# Altium PCB STM32F207VE_Board.PcbDoc (continued)
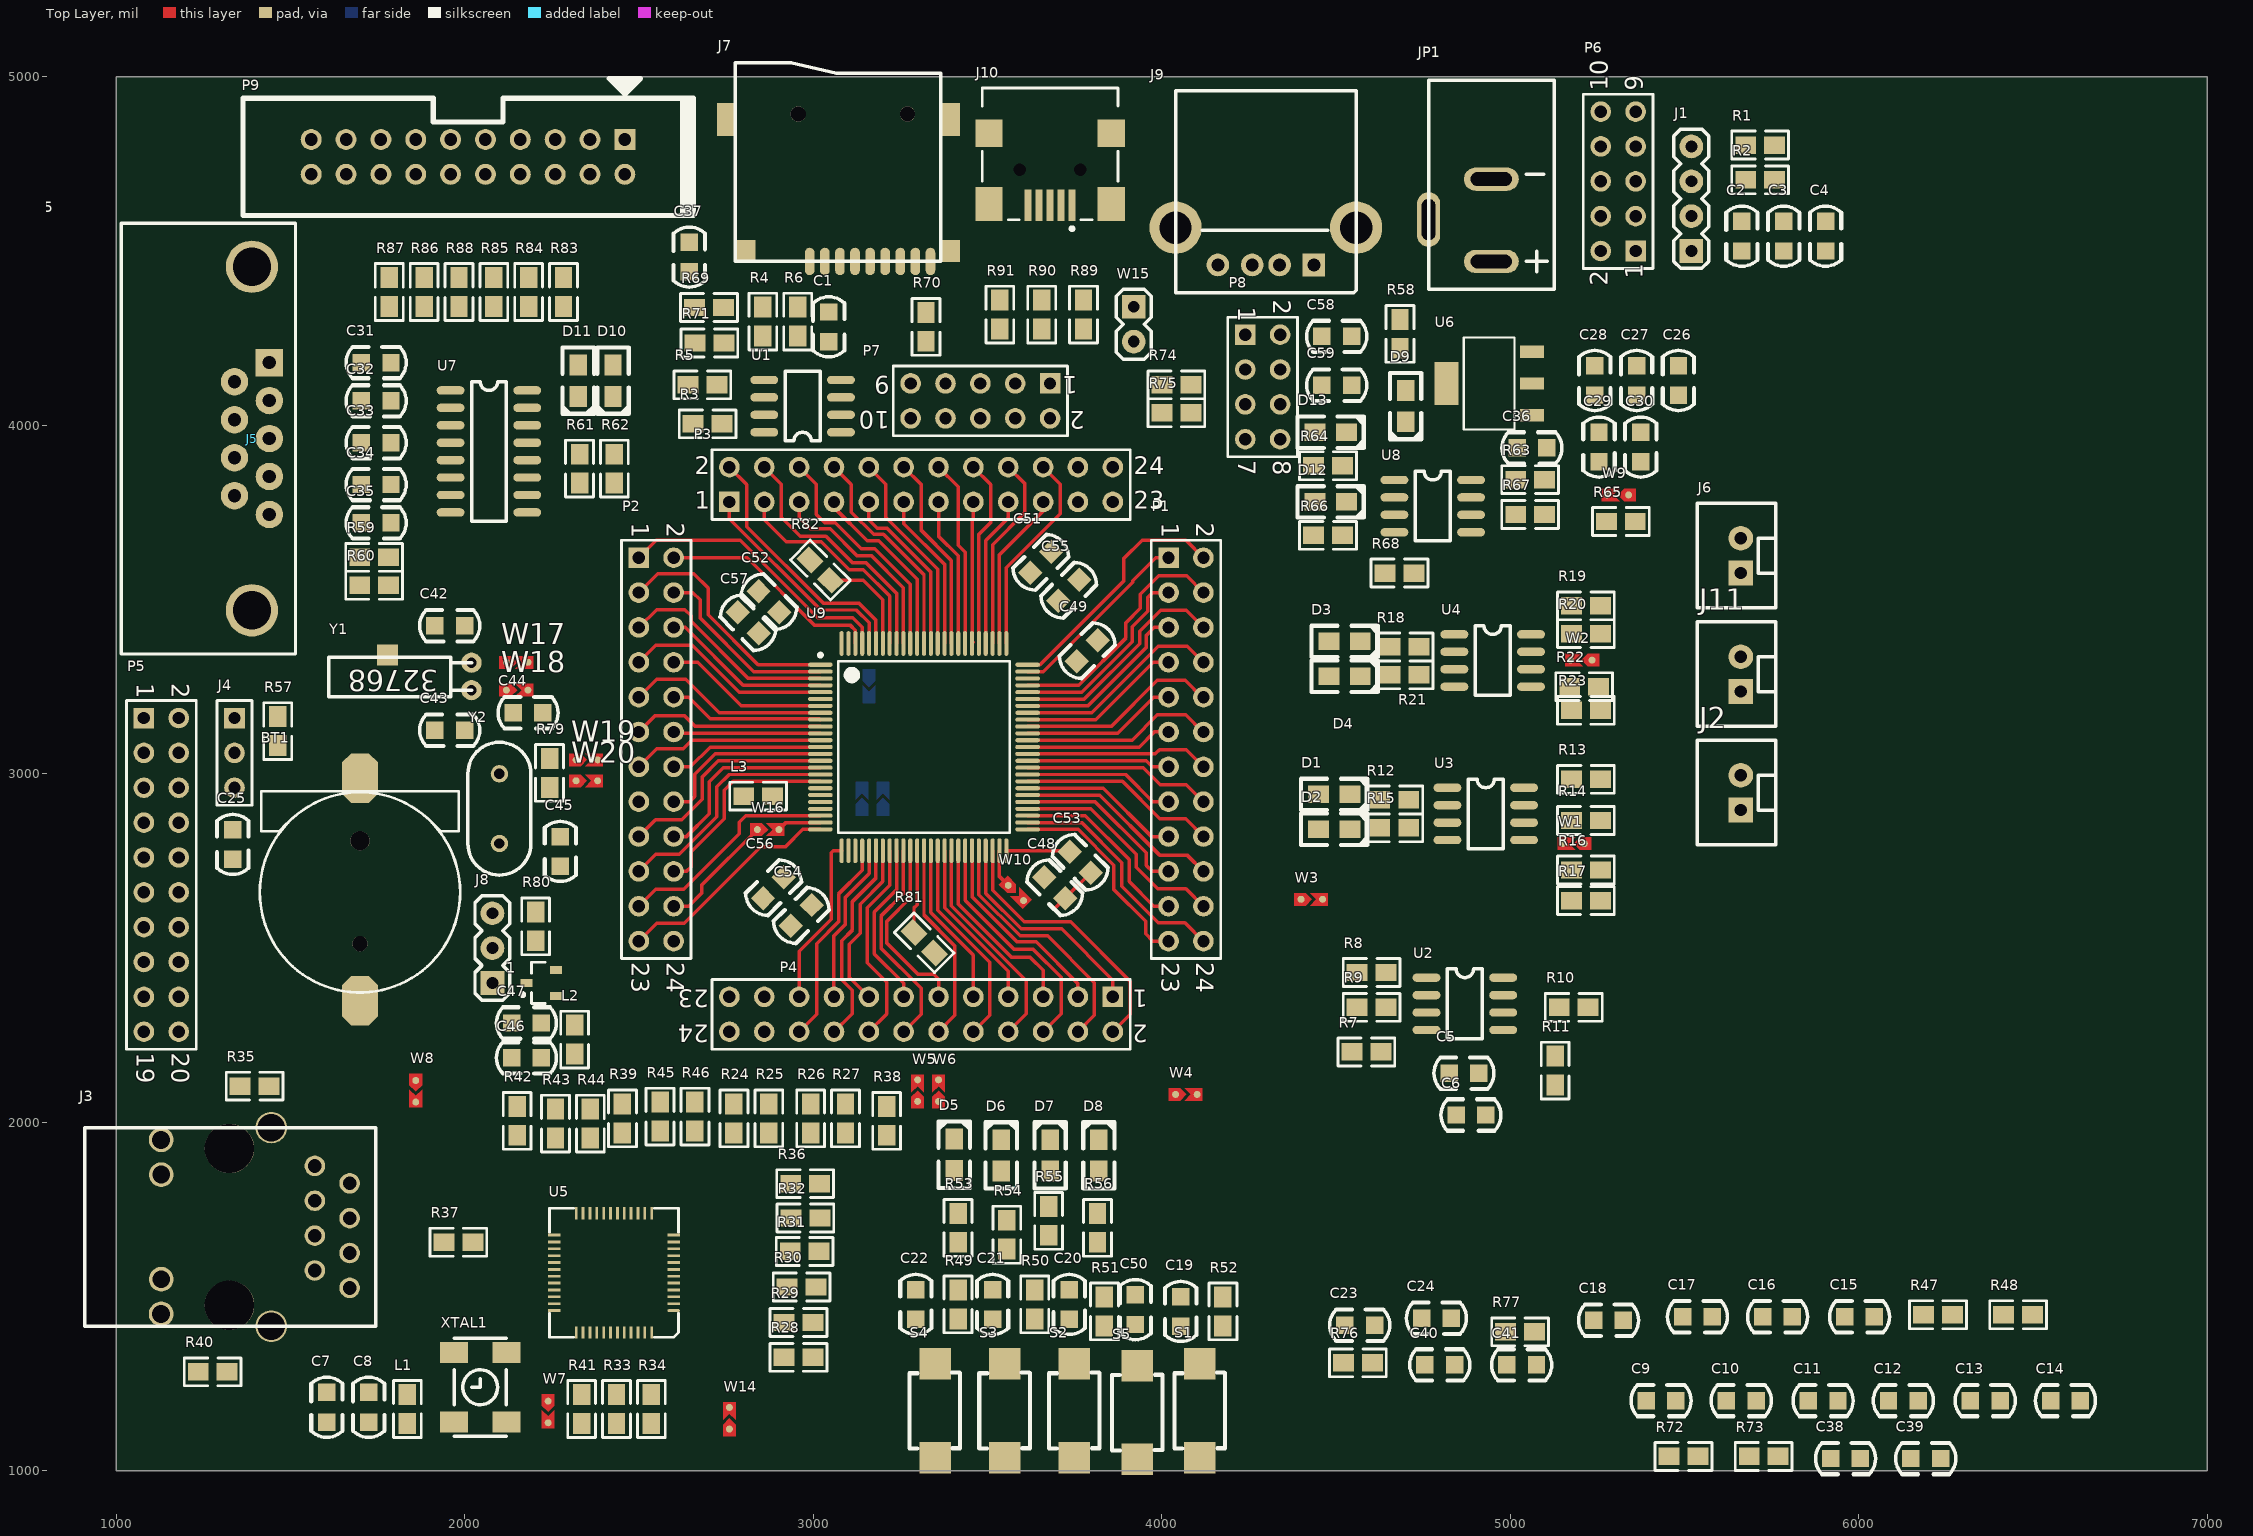
[diagram p0: Top Layer view]
## Footprints (in the part's own frame and the unit in brackets; to place one, negate y for a bottom-side part, rotate by r counter-clockwise, add the part's x,y. Pads: shape width x height; smd on the part's side, far side on the other; paste and mask are expansions set on the pad)
0603_jump_Pad [mil] "可选悬空或短接的跳线"
  round 20 smd: 1(0,0) 2(62,0)
  Top Layer region: -20,-18 -20,18 13,18 31,0 13,-18
  Top Layer region: 26,18 44,0 26,-18 77,-18 77,18
0805-LED-RED [mil] "LED贴片封装"
  rect 60x50 smd: 1(0,0) 2(90,0)
  silkscreen extent -50,-45 142,45, body extent 5,-25 85,25, height 43
0805_small [mil]
  rect 60x50 smd: 1(-39,-4) 2(44,-4)
  silkscreen extent -79,-44 84,36, body extent -34,-30 44,20, height 31
0805_SmallR [mil]
  rect 60x50 smd: 1(-39,-4) 2(44,-4)
  silkscreen extent -79,-44 84,36, body extent -34,-30 44,20, height 31
0805C [mil]
  rect 50x50 smd: 1(0,-5) 2(85,-5)
  silkscreen extent -44,-50 129,40, body extent 0,-30 79,20, height 31
CR1220 [mm]
  oct 3.6x2.6 smd: 1(-8.325,0) 2(7.9,0)
  round 1.4 hole 1.4: ""(-3.75,0)
  round 1.1 hole 1.1: ""(3.75,0)
  silkscreen extent -7.37,-7.3 7.3,7.3, body extent -9.63,-7.37 9.17,7.37, height 4.28
"CRY 32768-1" [mil] "32768晶振"
  round 58 hole 30: 1(0,0) 2(0,-78.74)
  rect 60x60 smd: 3(241,-101)
  silkscreen extent 0,-95 409,19, body extent -7,-99 411,20, height 117
CRYSTAL [mil]
  round 50 hole 30: 1(-100,0) 2(100,0)
  silkscreen extent -191,-91 191,91, body extent -224,-90 222,93, height 138
DB9RA/M [mil]
  rect 78.74x78.74 hole 38: 1(0,0)
  round 78.74 hole 38: 2(-109,0) 3(-218,0) 4(-327,0) 5(-436,0) 6(-55,100) 7(-164,100) 8(-273,100) 9(-382,100)
  round 150 hole 110: ""(-711,50) ""(275,50)
  silkscreen extent -836,-75 400,425, body extent -829,-92 395,667, height 490
DC3 [mm]
  oval 1.7x4 hole 1 slot 3 at 90 deg: 1(3.81,0.66) 2(-2.192,0.66)
  oval 4x1.7 hole 1 slot 3 at 0 deg: 3(0.762,-3.912)
  silkscreen extent -9.4,-3.91 5.84,5.23, body extent -10.42,-4.05 4.88,5.31, height 11.1
HDR1X3-2.54MM [mm] "Connector; Header; 3 Position"
  rect 1.5x1.5 hole 0.9: 1(0,0)
  round 1.5 hole 0.9: 2(2.54,0) 3(5.08,0)
  silkscreen extent -1.27,-1.27 6.35,1.27, body extent -1.27,-1.27 6.35,1.27, height 11.11
HDR2X4-2.54MM [mm] "Connector; Header; 4x2 Position"
  rect 1.5x1.5 hole 0.9: 1(0,0)
  round 1.5 hole 0.9: 2(0,2.54) 3(2.54,0) 4(2.54,2.54) 5(5.08,0) 6(5.08,2.54) 7(7.62,0) 8(7.62,2.54)
  silkscreen extent -1.27,-1.27 8.89,3.81, body extent -1.27,-1.3 8.89,3.79, height 11.11
HDR2X5-2.54MM [mm] "Connector; Header; 5x2 Position"
  rect 1.5x1.5 hole 0.9: 1(0,0)
  round 1.5 hole 0.9: 2(0,2.54) 3(2.54,0) 4(2.54,2.54) 5(5.08,0) 6(5.08,2.54) 7(7.62,0) 8(7.62,2.54) 9(10.16,0) 10(10.16,2.54)
  silkscreen extent -1.27,-1.27 11.43,3.81, body extent -1.27,-1.27 11.43,3.81, height 11.11
HDR2X10-2.54MM [mm] "Connector; Header; 10x2 Position"
  rect 1.5x1.5 hole 0.9: 1(0,0)
  round 1.5 hole 0.9: 2(0,2.54) 3(2.54,0) 4(2.54,2.54) 5(5.08,0) 6(5.08,2.54) 7(7.62,0) 8(7.62,2.54) 9(10.16,0) 10(10.16,2.54) 11(12.7,0) 12(12.7,2.54) 13(15.24,0) 14(15.24,2.54) 15(17.78,0) 16(17.78,2.54) 17(20.32,0) 18(20.32,2.54) 19(22.86,0) 20(22.86,2.54)
  silkscreen extent -1.27,-1.27 24.13,3.81, body extent -1.3,-1.27 24.11,3.81, height 11.11
HDR2X12-2.54MM [mm] "Connector; Header; 12x2 Position"
  rect 1.5x1.5 hole 0.9: 1(0,0)
  round 1.5 hole 0.9: 2(0,2.54) 3(2.54,0) 4(2.54,2.54) 5(5.08,0) 6(5.08,2.54) 7(7.62,0) 8(7.62,2.54) 9(10.16,0) 10(10.16,2.54) 11(12.7,0) 12(12.7,2.54) 13(15.24,0) 14(15.24,2.54) 15(17.78,0) 16(17.78,2.54) 17(20.32,0) 18(20.32,2.54) 19(22.86,0) 20(22.86,2.54) 21(25.4,0) 22(25.4,2.54) 23(27.94,0) 24(27.94,2.54)
  silkscreen extent -1.27,-1.27 29.21,3.81, body extent -1.27,-1.3 29.21,3.79, height 11.11
IDE20-2.54MM [mil]
  rect 60x60 hole 36: 1(0,0)
  round 60 hole 36: 2(0,100) 3(100,0) 4(100,100) 5(200,0) 6(200,100) 7(300,0) 8(300,100) 9(400,0) 10(400,100) 11(500,0) 12(500,100) 13(600,0) 14(600,100) 15(700,0) 16(700,100) 17(800,0) 18(800,100) 19(900,0) 20(900,100)
  silkscreen extent -196,-175 1096,218, body extent -201,-120 1099,228, height 346
k_TS_021 [mm]
  rect 2.3x2.3 smd: 1(-1.702,-1.27) 2(5.131,-1.27)
  silkscreen extent -1.07,-3.12 4.47,0.56
LQFP100_N [mm] "Thin QFP, 100-Leads, Body 14x14mm, Pitch 0.5mm, IPC Medium Density"
  oval 1.8x0.3 smd: 1(-7.55,6) 2(-7.55,5.5) 3(-7.55,5) 4(-7.55,4.5) 5(-7.55,4) 6(-7.55,3.5) 7(-7.55,3) 8(-7.55,2.5) 9(-7.55,2) 10(-7.55,1.5) 11(-7.55,1) 12(-7.55,0.5) 13(-7.55,0) 14(-7.55,-0.5) 15(-7.55,-1) 16(-7.55,-1.5) 17(-7.55,-2) 18(-7.55,-2.5) 19(-7.55,-3) 20(-7.55,-3.5) 21(-7.55,-4) 22(-7.55,-4.5) 23(-7.55,-5) 24(-7.55,-5.5) 25(-7.55,-6) 51(7.55,-6) 52(7.55,-5.5) 53(7.55,-5) 54(7.55,-4.5) 55(7.55,-4) 56(7.55,-3.5) 57(7.55,-3) 58(7.55,-2.5) 59(7.55,-2) 60(7.55,-1.5) 61(7.55,-1) 62(7.55,-0.5) 63(7.55,0) 64(7.55,0.5) 65(7.55,1) 66(7.55,1.5) 67(7.55,2) 68(7.55,2.5) 69(7.55,3) 70(7.55,3.5) 71(7.55,4) 72(7.55,4.5) 73(7.55,5) 74(7.55,5.5) 75(7.55,6)
  oval 0.3x1.8 smd: 26(-6,-7.55) 27(-5.5,-7.55) 28(-5,-7.55) 29(-4.5,-7.55) 30(-4,-7.55) 31(-3.5,-7.55) 32(-3,-7.55) 33(-2.5,-7.55) 34(-2,-7.55) 35(-1.5,-7.55) 36(-1,-7.55) 37(-0.5,-7.55) 38(0,-7.55) 39(0.5,-7.55) 40(1,-7.55) 41(1.5,-7.55) 42(2,-7.55) 43(2.5,-7.55) 44(3,-7.55) 45(3.5,-7.55) 46(4,-7.55) 47(4.5,-7.55) 48(5,-7.55) 49(5.5,-7.55) 50(6,-7.55) 76(6,7.55) 77(5.5,7.55) 78(5,7.55) 79(4.5,7.55) 80(4,7.55) 81(3.5,7.55) 82(3,7.55) 83(2.5,7.55) 84(2,7.55) 85(1.5,7.55) 86(1,7.55) 87(0.5,7.55) 88(0,7.55) 89(-0.5,7.55) 90(-1,7.55) 91(-1.5,7.55) 92(-2,7.55) 93(-2.5,7.55) 94(-3,7.55) 95(-3.5,7.55) 96(-4,7.55) 97(-4.5,7.55) 98(-5,7.55) 99(-5.5,7.55) 100(-6,7.55)
  silkscreen extent -7.67,-6.25 6.25,6.82, body extent -8,-8 7.97,8, height 2.34
LQFP-48 [mm]
  oval 0.9x0.2 smd: 1(0,0)
  rect 0.9x0.2 smd: 2(0,-0.5) 3(0,-1) 4(0,-1.5) 5(0,-2) 6(0,-2.5) 7(0,-3) 8(0,-3.5) 9(0,-4) 10(0,-4.5) 11(0,-5) 12(0,-5.5) 25(8.7,-5.5) 26(8.7,-5) 27(8.7,-4.5) 28(8.7,-4) 29(8.7,-3.5) 30(8.7,-3) 31(8.7,-2.5) 32(8.7,-2) 33(8.7,-1.5) 34(8.7,-1) 35(8.7,-0.5) 36(8.7,0)
  rect 0.2x0.9 smd: 13(1.6,-7.1) 14(2.1,-7.1) 15(2.6,-7.1) 16(3.1,-7.1) 17(3.6,-7.1) 18(4.1,-7.1) 19(4.6,-7.1) 20(5.1,-7.1) 21(5.6,-7.1) 22(6.1,-7.1) 23(6.6,-7.1) 24(7.1,-7.1) 37(7.1,1.6) 38(6.6,1.6) 39(6.1,1.6) 40(5.6,1.6) 41(5.1,1.6) 42(4.6,1.6) 43(4.1,1.6) 44(3.6,1.6) 45(3.1,1.6) 46(2.6,1.6) 47(2.1,1.6) 48(1.6,1.6)
  silkscreen extent -0.35,-7.45 9.05,1.95, body extent -0.16,-7.22 8.84,1.78, height 1.5
RJ45-HR911105A [mm] "带网络变压器的RJ45接口"
  round 3.6 hole 3.6: 0(-5.715,1.893) 0(5.715,1.893)
  round 1.5 hole 1: 1(4.445,-4.33) 2(3.175,-6.87) 3(1.905,-4.33) 4(0.635,-6.87) 5(-0.635,-4.33) 6(-1.905,-6.87) 7(-3.175,-4.33) 8(-4.445,-6.87)
  round 1.8 hole 1.3: 9(6.345,6.87) 10(3.81,6.86) 11(-3.81,6.86) 12(-6.345,6.87)
  round 2.3 hole 2: 13(7.239,-1.155) 14(-7.239,-1.155)
  silkscreen extent -7.24,-8.77 7.24,12.43, body extent -7.92,-8.39 7.96,13.01, height 13.46
sip2-2.54mm [mil] "排针"
  rect 68x68 hole 34: 1(0,0)
  round 68 hole 34: 2(100,0)
  silkscreen extent -50,-50 150,50, body extent -50,-51 150,49, height 437
sip3-2.54mm [mil] "3脚2.54mm插针"
  rect 68x68 hole 34: 1(0,0)
  round 68 hole 34: 2(100,0) 3(200,0)
  silkscreen extent -50,-50 250,50, body extent -50,-51 250,49, height 437
SIP4-2.54MM [mil] "排针"
  rect 68x68 hole 34: 1(0,0)
  round 68 hole 34: 2(100,0) 3(200,0) 4(300,0)
  silkscreen extent -50,-50 350,50, body extent -50,-50 350,50, height 437
SO-8 [mil]
  oval 80x24 smd: 1(0,0) 2(0,-50) 3(0,-100) 4(0,-150) 5(220,-150) 6(220,-100) 7(220,-50) 8(220,0)
  silkscreen extent 60,-175 160,25, body extent -11,-172 225,21, height 64
SO-16 [mil]
  oval 80x24 smd: 1(0,0) 2(0,-50) 3(0,-100) 4(0,-150) 5(0,-200) 6(0,-250) 7(0,-300) 8(0,-350) 9(220,-350) 10(220,-300) 11(220,-250) 12(220,-200) 13(220,-150) 14(220,-100) 15(220,-50) 16(220,0)
  silkscreen extent 60,-375 160,25, body extent -2,-376 234,26, height 67
SOT23 [mm] "SOT23, 3-Leads, Body 2.9x1.3mm, Pitch 0.95mm, Lead Span 2.3mm - Reverse Pinning, IPC High Density"
  rect 0.85x0.6 smd: 1(1.075,0) 2(-1.075,-0.95) 3(-1.075,0.95)
  silkscreen extent -0.3,-1.5 1.47,1.5, body extent -1.25,-1.5 1.25,1.5, height 1.06
SOT-223(DCY4) [mil] "AMS1117封装"
  rect 35x69.5 smd: 1(-91,-122.75) 2(0,-122.75) 3(91,-122.75)
  rect 124x69.5 smd: 4(0,122.75)
  silkscreen extent -132,-73 132,73, body extent -128,-137 128,137, height 66
TFP09-2-12B [mm]
  oval 0.7x2 smd: 1(2.2,0.254) 2(1.1,0.254) 3(0,0.254) 4(-1.1,0.254) 5(-2.2,0.254) 6(-3.3,0.254) 7(-4.4,0.254) 8(-5.5,0.254) 9(-6.6,0.254)
  rect 1.4x1.6 smd: 10(6.85,-0.5) 11(-8.054,-0.5)
  rect 1.4x2.4 smd: 12(8.258,-10.1) 13(-8.054,-10.1)
  round 1.118 hole 1.118: 14(-4.928,-10.49) 15(3.048,-10.49)
  silkscreen extent -7.37,-14.22 7.62,0.25, body extent -8.18,-14.43 8.13,0.78, height 2.05
USB-A [mil]
  rect 65x65 hole 37: 1(0,0)
  round 65 hole 37: 2(-98.5,0) 3(-177,0) 4(-275.6,0)
  round 150 hole 93: 5(121,107) 6(-397,107)
  silkscreen extent -397,-80 121,500, body extent -449,-45 173,494, height 274
USB-MINI-B [mm] "Connector; USB2.0, Type A, SM; 5 Position; Right Angle"
  rect 2.3x0.5 smd: 1(-7.85,-1.6) 2(-7.85,-0.8) 3(-7.85,0) 4(-7.85,0.8) 5(-7.85,1.6)
  rect 2.5x2 smd: 6(-7.75,4.45) 8(-7.75,-4.45)
  rect 2x2 smd: 7(-2.6,4.45) 9(-2.6,-4.45)
  round 0.6 hole 0.9 unplated: MH1(-5.25,2.2) MH2(-5.25,-2.2)
  silkscreen extent -9.67,-4.95 0.7,4.95, body extent -8.55,-5.35 0.65,5.35, height 3.95
XH2.54-2P [mm]
  rect 1.8x1.8 hole 0.9: 1(0,0)
  round 1.8 hole 0.9: 2(2.54,0)
  silkscreen extent -2.54,-2.54 5.08,3.18
贴片有源晶体 [mil]
  rect 60x80 smd: 1(0,0) 2(200,0) 3(200,150) 4(0,150)
  silkscreen extent -40,0 240,150, body extent -38,-23 238,173, height 74

## Part data
BT1: "Multicell Battery"
C1 C2 C3 C4 C5 C6 C7 C8 C9 C10 C11 C12 C13 C14 C15 C16 C17 C18 C19 C20 C21 C22 C23 C24 C25 C26 C27 C28 C29 C30 C31 C32 C33 C34 C35 C36 C37 C38 C39 C40 C41 C42 C43 C44 C45 C46 C47 C48 C49 C50 C51 C52 C53 C54 C55 C56 C57 C58 C59: library part Cap, "贴片电容"
D1 D2 D3 D4 D5 D6 D7 D8 D9 D10 D11 D12 D13: "Typical INFRARED GaAs LED"
J1 J2 J4 J6 J8 J11: "Connector"
J3: "带网络变压器的网络接口"
J7: library part sd_card_tf_0, "带弹簧的SD-TF卡座"
JP1: "DC电源接口"
L1 L2 L3: library part Inductor, "电感"
P1 P2 P3 P4: "Header, 12-Pin, Dual row"
P5 P9: library part CON10X2, "Header, 10-Pin, Dual row"
P6: "Header, 5-Pin, Dual row"
P7: library part CON5X2, "Header, 5-Pin, Dual row"
P8: library part CON4X2, "Header, 4-Pin, Dual row"
R1 R2 R3 R4 R5 R6 R7 R8 R9 R10 R11 R12 R13 R14 R15 R16 R17 R18 R19 R20 R21 R22 R23 R24 R25 R26 R27 R28 R29 R30 R31 R32 R33 R34 R35 R36 R37 R38 R39 R40 R41 R42 R43 R44 R45 R46 R47 R48 R49 R50 R51 R52 R53 R54 R55 R56 R57 R58 R59 R60 R61 R62 R63 R64 R65 R66 R67 R68 R69 R70 R71 R72 R73 R74 R75 R76 R77 R79 R80 R81 R82 R83 R84 R85 R86 R87 R88 R89 R90 R91: library part Res, "电阻"
S1 S2 S3 S4 S5: library part SW-PB-2, "Switch"
U5: "DP83848 PHY"
U6: library part SPX1117
U9: "STM32 ARM-based 32-bit MCU Connectivity Line & Ethernet with 512 kB Flash, 128 kB Internal RAM, -40 to +85癈 Temperature, 100-Pin LQFP, Tray"
W1 W2 W9: "Jumper Wire"
W3 W4 W5 W6 W7 W8 W10 W11 W12 W13 W14 W15 W16 W17 W18 W19 W20: library part Jumper, "Jumper Wire"
Y1 Y2: library part CRYSTAL, "JZ"

## Nets (pads, with @x,y where several pads share a name; then routed paths per layer and width w, separated by ;. In a path a pad name is that pad's centre, name@x,y a point inside that pad or via, vN(x,y) a via of type N, cw(c..) or ccw(c..) an arc to the next point about the centre after c; other vN are vias at no path point)
+3.3V: C1.2 C2.2 C3.2 C4.2 C5.2 C6.2 C9.1 C10.1 C11.1 C12.1 C13.1 C14.1 C23.1 C24.1 C25.1 C29.2 C30.2 C31.2 C37.1 C38.1 C39.1 C40.1 C41.1 C51.1 C52.1 C53.1 C54.1 C55.1 C56.1 C57.1 D1.1 D2.1 D3.1 D4.1 D10.1 D11.1 D12.1 D13.1 J1.2 J3.4 J3.5 J4.3 J7.4 L1.1 L3.1 P1.2 P2.12 P3.22 P3.24 P4.22 P4.24 P5.1 P5.19 P6.1 P6.3 P7.1 P8.8 R4.1 R6.1 R7.2 R24.1 R25.1 R26.1 R27.1 R35.1 R36.1 R37.1 R38.1 R39.1 R40.1 R42.2 R43.2 R44.2 R45.2 R46.2 R49.1 R50.1 R51.1 R52.1 R53.2 R54.2 R55.2 R56.2 R57.1 R58.2 R69.1 R71.1 R72.2 R73.2 U1.8 U2.3 U2.7 U2.8 U5.32 U6.2 U6.4 U7.16 U9.11 U9.28 U9.50 U9.75 U9.100 W12.1 W14.2 | length 1353.1
  Top Layer w10: P2.12@2603.89,3116.11 2875,3116.11 ; 2832.89,3116.11 2875,3116.11 ; U9.11 2875,3116.11 ; U9.50 3733.43,2779.5 C53.1 ; U9.75 3650.96,3312.96 3892,3554 3892,3618 3944,3670 4070,3670 P1.2
+5V: C26.2 C27.2 C28.2 C36.1 C58.1 C59.1 J9.1 JP1.1 P6.5 P6.7 P6.9 R63.1 U3.3 U4.3 U6.3 U8.8 W15.2
ACTLED: J3.10 R44.1 U5.26
AGND: 1.3 C46.1 C47.1 L2.1 U9.20
BOOT0: R82.1 U9.94 W14.1 | length 298
  Top Layer w10: R82.1 3143.75,3555.25 3200.15,3498.85 U9.94
CAN1_H: J2.2 R14.2
CAN1_L: J2.1 R17.2
CAN2_H: J11.2 R20.2
CAN2_L: J11.1 R23.2
CD: J7.2 P3.17 P7.6 R9.2 R71.2 R74.1 U9.79 | length 432.8
  Top Layer w10: U9.79 3495.43,3669.43 3560,3734 P3.17
CLK: J7.5 P3.16 P7.8 R11.1 R76.2 U9.80 | length 540.9
  Top Layer w10: P3.16 3510,3830 3510,3721 3475.74,3686.74 U9.80
CMD: J7.3 P3.13 P7.7 U9.83 | length 429.5
  Top Layer w10: P3.13 3360,3682 3416.69,3625.31 U9.83
DATA0: J7.7 P7.9
DATA1: J7.8 P7.10
DATA2: J7.1 P3.18 P7.5 R10.1 R75.1 U9.78 | length 564.4
  Top Layer w10: U9.78 3515.11,3657.11 3608,3750 3608,3832 P3.18
DGND: BT1.2 C1.1 C2.1 C3.1 C4.1 C5.1 C6.1 C7.2 C8.2 C9.2 C10.2 C11.2 C12.2 C13.2 C14.2 C15.2 C16.2 C17.2 C18.2 C19.1 C20.1 C21.1 C22.1 C23.2 C24.2 C25.2 C26.1 C27.1 C28.1 C29.1 C30.1 C31.1 C32.1 C35.1 C36.2 C37.2 C38.2 C39.2 C40.2 C41.2 C42.2 C43.2 C44.2 C45.2 C48.1 C49.1 C50.2 C51.2 C52.2 C53.2 C54.2 C55.2 C56.2 C57.2 C58.2 C59.2 D9.2 J1.1 J3.8 J3.13 J3.14 J4.1 J5.5 J7.6 J7.10 J7.11 J7.12 J7.13 J9.4 J9.5 J9.6 J10.5 J10.6 J10.7 J10.8 J10.9 JP1.2 JP1.3 L2.2 P1.1 P2.11 P2.15 P2.24 P3.21 P3.23 P4.21 P4.23 P5.2 P6.2 P6.4 P6.6 P6.8 P6.10 P7.2 P8.7 P9.4 P9.6 P9.8 P9.10 P9.12 P9.14 P9.16 P9.18 P9.20 R13.1 R19.1 R31.2 R32.2 R47.2 R67.1 R68.2 R81.2 R82.2 R88.2 S1.2 S2.2 S3.2 S4.2 S5.1 U1.1 U1.2 U1.3 U1.4 U1.7 U2.4 U3.2 U4.2 U5.15 U5.19 U5.35 U5.36 U5.47 U6.1 U7.15 U8.5 U9.10 U9.27 U9.74 W10.2 W11.2 W13.1 XTAL1.2 | length 1314.9
  Top Layer w10: P2.11 2546,3166 2632,3166 2662.21,3135.79 2928,3135.79 ; 2847.21,3135.79 2928,3135.79 ; U9.10 2928,3135.79 ; U9.74 3660.28,3293.28 3917,3550 3917,3554 3983,3620 P1.1 ; 3698,2618 C48.1 3796.36,2716.36 C53.2
DTAT0: P1.9 U9.65 | length 447.5
  Top Layer w10: U9.65 3874.11,3116.11 3978,3220 P1.9
DTAT1: P1.10 U9.66 | length 579.1
  Top Layer w10: U9.66 3855.79,3135.79 3988,3268 4068,3268 4116,3220 P1.10
LINKLED: J3.11 R42.1 U5.28
Net1_1: 1.1 1.2 J8.1 R80.1
NetBT1_1: BT1.1 U9.6
NetC7_1: C7.1 C8.1 L1.2 XTAL1.4
NetC15_1: C15.1 C16.1 C17.1 C18.1 U5.18
NetC32_2: C32.2 U7.2
NetC33_1: C33.1 U7.1
NetC33_2: C33.2 U7.3
NetC34_1: C34.1 U7.4
NetC34_2: C34.2 U7.5
NetC35_2: C35.2 U7.6
NetC42_1: C42.1 W17.1 Y1.2
NetC43_1: C43.1 W18.1 Y1.1
NetC44_1: C44.1 R79.2 W19.1 Y2.2
NetC45_1: C45.1 R79.1 W20.1 Y2.1
NetC48_2: C48.2 U9.49 W10.1 | length 164.2
  Top Layer w10: 3534.8,2725.2 U9.49 3534.8,2705.2 W10.1
NetC49_2: C49.2 U9.73
NetD1_2: D1.2 R12.2
NetD2_2: D2.2 R15.2
NetD3_2: D3.2 R18.2
NetD4_2: D4.2 R21.2
NetD5_1: D5.1 R53.1
NetD6_1: D6.1 R54.1
NetD7_1: D7.1 R55.1
NetD8_1: D8.1 R56.1
NetD9_1: D9.1 R58.1
NetD10_2: D10.2 R62.2
NetD11_2: D11.2 R61.2
NetD12_2: D12.2 R66.2
NetD13_2: D13.2 R64.2
NetJ1_3: J1.3 R2.2
NetJ1_4: J1.4 R1.2
NetJ3_9: J3.9 R35.2
NetJ3_12: J3.12 R40.2
NetJ5_2: J5.2 R59.1
NetJ5_3: J5.3 R60.1
NetJ7_9: J7.9 R69.2 R70.2
NetJ8_2: J8.2 U9.21
NetJ10_1: J10.1 W15.1
NetJ10_2: J10.2 R89.1
NetJ10_3: J10.3 R90.1
NetJ10_4: J10.4 R91.1
NetP8_1: P8.1 R74.2
NetP8_3: P8.3 R75.2
NetP8_4: P8.4 R76.1
NetP8_5: P8.5 R77.2
NetP9_1: P9.1 P9.2 R83.1 R84.1 R85.1 R86.1 R87.1
NetR3_2: R3.2 U1.6
NetR5_2: R5.2 U1.5
NetR8_1: R8.1 U2.1
NetR9_1: R9.1 U2.2
NetR10_2: R10.2 U2.6
NetR11_2: R11.2 U2.5
NetR13_2: R13.2 U3.8
NetR14_1: R14.1 U3.7 W1.2
NetR16_1: R16.1 W1.1
NetR16_2: R16.2 R17.1 U3.6
NetR19_2: R19.2 U4.8
NetR20_1: R20.1 U4.7 W2.2
NetR22_1: R22.1 W2.1
NetR22_2: R22.2 R23.1 U4.6
NetR28_1: R28.1 U5.2
NetR29_1: R29.1 U5.3
NetR30_1: R30.1 U5.4
NetR31_1: R31.1 U5.5
NetR32_1: R32.1 U5.6
NetR33_1: R33.1 U5.43
NetR33_2: R33.2 W5.1 W6.1
NetR34_1: R34.1 U5.44
NetR34_2: R34.2 W3.1 W4.1
NetR36_2: R36.2 U5.7
NetR41_1: R41.1 U5.39
NetR41_2: R41.2 W7.2 W8.2
NetR43_1: R43.1 U5.27
NetR45_1: R45.1 U5.21
NetR46_1: R46.1 U5.20
NetR47_1: R47.1 R48.2
NetR48_1: R48.1 U5.24
NetR65_1: R65.1 W9.1
NetU5_23: U5.23 U5.37
NetU9_19: U9.19 W12.2 W13.2
NetU9_24: U9.24 W16.2 | length 127.4
  Top Layer w10: W16.2 2922.2,2860.2 U9.24
NetU9_99: U9.99 W11.1
OSC_IN: P2.13 U9.12 W19.2 | length 552.7
  Top Layer w10: P2.13 2552,3072 2628,3072 2652.42,3096.42 U9.12
OSC_OUT: P2.14 U9.13 W20.2 | length 444.5
  Top Layer w10: P2.14 2648,3020 2704.74,3076.74 U9.13
PA0: P2.21 P8.6 R73.1 U9.23 | length 648
  Top Layer w10: P2.21 2549,2669 2629,2669 2788,2828 2788,2861 2806.89,2879.89 U9.23
PA1_RMII_RX_CLK: P2.22 U5.34 W16.1 XTAL1.3 | length 344.6
  Top Layer w10: P2.22 2643,2620 2680,2657 2680,2680 W16.1
PA2_RMII_MDIO: P2.23 R37.2 U5.30 U9.25 | length 653.8
  Top Layer w10: P2.23 2551,2571 2630,2571 2850,2791 2921,2791 2970.52,2840.52 U9.25
PA3: P4.19 U9.26 | length 483.8
  Top Layer w10: P4.19 2960,2491 3052,2583 3052,2773 3058.5,2779.5 U9.26
PA4: D5.2 P4.20 U9.29 | length 594.5
  Top Layer w10: P4.20 3010,2310 3010,2512 3073,2575 3073,2655 3141.09,2723.09 U9.29
PA5: D6.2 P4.17 U9.30 | length 461.2
  Top Layer w10: P4.17 3060,2535 3093,2568 3093,2646.22 3160.78,2714 U9.30
PA6: P4.18 P7.4 U9.31 | length 594.2
  Top Layer w10: P4.18 3112,2312 3112,2379 3082,2409 3082,2521 3113,2552 3113,2633.53 3180.47,2701 U9.31
PA7_RMII_RX_DV: P4.15 R38.2 U9.32 W8.1 | length 482.5
  Top Layer w10: P4.15 3104,2416 3104,2511 3135,2542 3135,2626 3200.15,2691.15 U9.32
PA8: P1.7 U9.67 | length 472.6
  Top Layer w10: U9.67 3811.48,3155.48 3976,3320 P1.7
PA9_TX1: P1.8 R61.1 U7.10 U9.68 | length 602.6
  Top Layer w10: U9.68 3799.16,3175.16 3990,3366 4074,3366 P1.8
PA10_RX1: P1.5 R62.1 R91.2 U7.9 U9.69 | length 518.3
  Top Layer w10: U9.69 3788.85,3194.85 3956.59,3362.59 3956.59,3397.59 3979,3420 P1.5
PA11_USB_DM: P1.6 R89.2 U9.70 | length 651.3
  Top Layer w10: U9.70 3778.53,3214.53 3937,3373 3937,3409 3997,3469 4071,3469 P1.6
PA12_USB_DP: P1.3 R90.2 U9.71 | length 571.5
  Top Layer w10: U9.71 3771.22,3234.22 3915.94,3378.94 3915.94,3421.94 3960,3466 3960,3506 3974,3520 P1.3
PA13_TMS: P1.4 P9.7 R85.2 U9.72 | length 703.7
  Top Layer w10: U9.72 3761.91,3253.91 3897.73,3389.73 3897.73,3433.73 3939,3475 3939,3515 3992,3568 4072,3568 P1.4
PA14_TCK: P3.20 P9.9 R88.1 U9.76 | length 590.3
  Top Layer w10: U9.76 3554.48,3591.48 3709,3746 3709,3831 P3.20
PA15_TDI: P3.19 P9.5 R84.2 U9.77 | length 457.9
  Top Layer w10: U9.77 3534.8,3628.8 3660,3754 P3.19
PB0: J4.2 P4.14 R57.2 U9.35 | length 614.4
  Top Layer w10: U9.35 3259.21,2656.21 3195,2592 3195,2500 3310,2385 3310,2310 P4.14
PB1: D7.2 P4.11 U9.36 | length 534.9
  Top Layer w10: U9.36 3278.89,2644 3212,2577.11 3212,2514 3301,2425 3346,2425 3360,2411 P4.11
PB2_BOOT1: R81.1 U9.37 | length 238.5
  Top Layer w10: R81.1 3289.59,2615.59 3298.58,2624.58 U9.37
PB3_TDO: P3.7 P9.13 R86.2 U9.89 | length 524.2
  Top Layer w10: P3.7 3060,3764 3155,3669 3188,3669 3298.58,3558.42 U9.89
PB4_TRST: P3.6 P9.3 R83.2 U9.90 | length 679.1
  Top Layer w10: P3.6 3009,3831 3009,3744 3033,3720 3064,3720 3138,3646 3177,3646 3278.89,3544.11 U9.90
PB5_CAN2_RX: P3.5 R21.1 U4.4 U9.91 | length 587.4
  Top Layer w10: P3.5 2960,3735 2992,3703 3049,3703 3127,3625 3168,3625 3259.21,3533.79 U9.91
PB6_I2C_SCL_CAN2_TX: P3.4 R2.1 R3.1 R4.2 R18.1 U4.1 U9.92 | length 729.4
  Top Layer w10: P3.4 2909,3831 2909,3736 2963,3682 3037,3682 3113,3606 3152,3606 3239.52,3518.48 U9.92
PB7_I2C_SDA: P3.3 R1.1 R5.1 R6.2 U9.93 | length 637.7
  Top Layer w10: P3.3 2860,3729 2923,3666 3024,3666 3104,3586 3144,3586 3219.84,3510.16 U9.93
PB8: P3.2 P5.16 U9.95 | length 739.9
  Top Layer w10: P3.2 2810,3830 2810,3709 3029,3490 3131,3490 3180.47,3440.53 U9.95
PB9_SD_CD: P3.1 R70.1 U9.96 | length 631.8
  Top Layer w10: P3.1 2760,3732 3022,3470 3124,3470 3160.78,3433.22 U9.96
PB10: P4.1 U9.47 | length 638.5
  Top Layer w10: U9.47 3495.43,2656.57 3597,2555 3713,2555 3860,2408 P4.1
PB11_RMII_TX_EN: P4.2 R28.2 U9.48 | length 781.7
  Top Layer w10: U9.48 3515.11,2665.89 3606,2575 3739,2575 3910,2404 3910,2310 P4.2
PB12_RMII_TXD0: P1.23 R29.2 U9.51 | length 599.4
  Top Layer w10: U9.51 3760.48,2840.52 3863,2738 3863,2668 3954,2577 3954,2541 3975,2520 P1.23
PB13_RMII_TXD1: P1.24 R30.2 U9.52 | length 685.2
  Top Layer w10: U9.52 3770.8,2860.2 3886,2745 3886,2677 3990,2573 4067,2573 P1.24
PB14_DM: J9.2 P1.21 U9.53 | length 549
  Top Layer w10: U9.53 3781.11,2879.89 3907,2754 3907,2691 3978,2620 P1.21
PB15_DP: J9.3 P1.22 U9.54 | length 642
  Top Layer w10: U9.54 3796.43,2899.57 3927,2769 3927,2732 3989,2670 4070,2670 P1.22
PC0: P2.17 R77.1 U9.15 | length 648.5
  Top Layer w10: P2.17 2548,2868 2623,2868 2682,2927 2682,2991 2728.37,3037.37 U9.15
PC1_RMII_MDC: P2.18 U5.31 U9.16 | length 556.8
  Top Layer w10: P2.18 2637,2820 2702,2885 2702,2977 2742.68,3017.68 U9.16
PC2: P2.19 R7.1 R8.2 U9.17 | length 686.5
  Top Layer w10: P2.19 2549,2769 2616,2769 2724,2877 2724,2963 2759,2998 2893,2998 U9.17
PC3: P2.20 P8.2 R72.1 U9.18 | length 601.2
  Top Layer w10: P2.20 2637,2720 2650,2733 2650,2776 2745,2871 2745,2953 2770.31,2978.31 U9.18
PC4_RMII_RXD1: P4.16 U9.33 W5.2 | length 590.7
  Top Layer w10: P4.16 3211,2311 3211,2402 3155,2458 3155,2615.16 3219.84,2680 U9.33
PC5_RMII_RXD2: P4.13 U9.34 W4.2 | length 480.6
  Top Layer w10: U9.34 3239.52,2667 3176,2603.48 3176,2483 3260,2399 P4.13
PC6: P1.11 P5.14 U9.63 | length 422.4
  Top Layer w10: U9.63 3935.74,3076.74 3979,3120 P1.11
PC7: P1.12 P5.17 U9.64 | length 554.9
  Top Layer w10: U9.64 3915.42,3096.42 3988,3169 4069,3169 4118,3120 P1.12
PC13: P2.8 U9.7 | length 472.9
  Top Layer w10: P2.8 2669,3320 2794.15,3194.85 U9.7
PC14_OSC32_IN: P2.9 U9.8 W18.2 | length 581.8
  Top Layer w10: P2.9 2551,3271 2635,3271 2730.84,3175.16 U9.8
PC15_OSC32_OUT: P2.10 U9.9 W17.2 | length 447.7
  Top Layer w10: P2.10 2643,3220 2705.47,3157.53 3018.97,3157.53 U9.9
PD0_CAN1_RX: P3.15 R15.1 U3.4 U9.81 | length 413.2
  Top Layer w10: U9.81@3460,3377.93 U9.81 3456.06,3725.06 3460,3729 P3.15
PD1_CAN1_TX: P3.14 R12.1 U3.1 U9.82 | length 537.7
  Top Layer w10: P3.14 3416,3824 3416,3656 3436.37,3635.63 U9.82
PD3: P3.12 U9.84 | length 562.8
  Top Layer w10: P3.12 3311,3829 3311,3698 3397,3612 U9.84
PD4: P3.11 U9.85 | length 454.6
  Top Layer w10: P3.11 3260,3718 3377.32,3600.68 U9.85
PD5_TX2: P3.10 R66.1 U8.4 U9.86 | length 587.9
  Top Layer w10: P3.10 3209,3831 3209,3736 3357.63,3587.37 U9.86
PD6_RX2: P3.9 R64.1 U8.1 U9.87 | length 496.1
  Top Layer w10: P3.9 3160,3729 3184.24,3704.76 3212.24,3704.76 3337.95,3579.05 U9.87
PD7: P3.8 R68.1 U8.2 U8.3 U9.88 | length 629.4
  Top Layer w10: P3.8 3110,3830 3110,3751 3174,3687 3202,3687 3318.26,3570.74 U9.88
PD8_RMII_EX_DV: R39.2 W7.1
PD8_RMII_RX_DV: P1.19 U9.55 | length 508.1
  Top Layer w10: U9.55 3809.74,2919.26 3956,2773 3956,2737 3973,2720 P1.19
PD9_RMII_RXD0: P1.20 U9.56 W6.2 | length 595.2
  Top Layer w10: U9.56 3822.06,2938.94 3994,2767 4073,2767 P1.20
PD10_RMII_RXD1: P1.17 U9.57 W3.2 | length 461.9
  Top Layer w10: U9.57 3832.37,2958.63 3971,2820 P1.17
PD11: P1.18 P5.8 U9.58 | length 570.1
  Top Layer w10: U9.58 3887.69,2978.31 3995,2871 4069,2871 P1.18
PD12: P1.15 U9.59 | length 436.8
  Top Layer w10: U9.59 3897,2998 3975,2920 P1.15
PD13: P1.16 U9.60 | length 545
  Top Layer w10: U9.60 3947.32,3017.68 3996,2969 4071,2969 P1.16
PD14: P1.13 U9.61 | length 411.7
  Top Layer w10: U9.61 3955.63,3037.37 3973,3020 P1.13
PD15: P1.14 P5.18 U9.62 | length 529.7
  Top Layer w10: U9.62 3982.05,3057.05 3994,3069 4071,3069 P1.14
PE0: P2.1 P5.6 U9.97 | length 811.9
  Top Layer w10: P2.1 2550,3670 2791,3670 3013,3448 3114,3448 3141.09,3420.91 U9.97
PE1: P2.2 P5.4 U9.98 | length 645.3
  Top Layer w10: P2.2 2810.71,3620 3005.14,3425.57 3107.43,3425.57 3121.41,3411.59 U9.98
PE2: P2.3 P5.3 U9.1 | length 696.6
  Top Layer w10: P2.3 2554,3574 2658,3574 2699,3533 2699,3456 2842.04,3312.96 U9.1
PE3: P2.4 P5.5 U9.2 | length 545.4
  Top Layer w10: P2.4 2655,3520 2676,3499 2676,3447 2829.72,3293.28 U9.2
PE4: P2.5 P5.7 U9.3 | length 632.7
  Top Layer w10: P2.5 2551,3471 2632,3471 2650,3453 2650,3438 2814.41,3273.59 U9.3
PE5: P2.6 P5.9 U9.4 | length 489.8
  Top Layer w10: P2.6 2633,3420 2799.09,3253.91 U9.4
PE6: P2.7 P5.10 U9.5 | length 597.1
  Top Layer w10: P2.7 2549,3369 2653,3369 2787.78,3234.22 U9.5
PE7: P4.12 P5.12 U9.38 | length 575.7
  Top Layer w10: U9.38 3318.26,2594.74 3407,2506 3407,2307 P4.12
PE8: P4.9 U9.39 | length 470.1
  Top Layer w10: U9.39 3337.95,2602.05 3460,2480 P4.9
PE9: P4.10 U9.40 | length 600.8
  Top Layer w10: U9.40 3357.63,2608.37 3507,2459 3507,2307 P4.10
PE10: P4.7 U9.41 | length 495.2
  Top Layer w10: U9.41 3377.32,2615.68 3560,2433 P4.7
PE11: D8.2 P4.8 U9.42 | length 630.1
  Top Layer w10: U9.42 3397,2621 3612,2406 3612,2312 P4.8
PE12: C19.2 P4.5 R52.2 S1.1 U9.43 | length 551.3
  Top Layer w10: U9.43 3416.69,2626.31 3570,2473 3623,2473 3660,2436 P4.5
PE13: C22.2 P4.6 R49.2 S4.1 U9.44 | length 687.4
  Top Layer w10: U9.44 3436.37,2636.63 3577,2496 3632,2496 3712,2416 3712,2312 P4.6
PE14: C21.2 P4.3 R50.2 S3.1 U9.45 | length 577.6
  Top Layer w10: U9.45 3456.06,2646.94 3585,2518 3640,2518 3760,2398 P4.3
PE15: C20.2 P4.4 R51.2 S2.1 U9.46 | length 722.5
  Top Layer w10: U9.46 3475.74,2653.26 3594,2535 3673,2535 3807,2401 3807,2307 P4.4
RS232_RX: R60.2 U7.8
RS232_TX: R59.2 U7.7
RS485_A: J6.1 R63.2 U8.7 W9.2
RS485_B: J6.2 R65.2 R67.2 U8.6
RXN: J3.6 R27.2 U5.13
RXP: J3.3 R26.2 U5.14
STM_RESET: C50.1 P2.16 P9.15 R87.2 S5.2 U5.29 U9.14 | length 515.3
  Top Layer w10: P2.16 2646,2920 2661,2935 2661,2999 2719.05,3057.05 U9.14
TXN: J3.2 R25.2 U5.16
TXP: J3.1 R24.2 U5.17
VDDA: C46.2 C47.2 J8.3 L3.2 R80.2 U9.22
pads on no net: BT1. J3.0 J3.7 J5. J5.1 J5.4 J5.6 J5.7 J5.8 J5.9 J7.14 J7.15 J10.MH1 J10.MH2 P5.11 P5.13 P5.15 P5.20 P7.3 P9.11 P9.17 P9.19 U3.5 U4.5 U5.1 U5.8 U5.9 U5.10 U5.11 U5.12 U5.22 U5.25 U5.33 U5.38 U5.40 U5.41 U5.42 U5.45 U5.46 U5.48 U7.11 U7.12 U7.13 U7.14 XTAL1.1 Y1.3

## Text inside footprints (layer, text, board x,y; h text height)
J10: Mechanical 1 "PCB Edge" at 3838.91,4957.02 h9.84 r180
P1: Top Overlay "24" at 4100,2460 h50 r270; Top Overlay "23" at 4000,2460 h50 r270; Top Overlay "2" at 4100,3720 h50 r270; Top Overlay "1" at 4000,3720 h50 r270
P2: Top Overlay "24" at 2580,2460 h50 r270; Top Overlay "23" at 2480,2460 h50 r270; Top Overlay "2" at 2580,3720 h50 r270; Top Overlay "1" at 2480,3720 h50 r270
P3: Top Overlay "24" at 3920,3860 h50; Top Overlay "23" at 3920,3760 h50; Top Overlay "2" at 2660,3860 h50; Top Overlay "1" at 2660,3760 h50
P4: Top Overlay "24" at 2700,2280 h50 r180; Top Overlay "23" at 2700,2380 h50 r180; Top Overlay "2" at 3960,2280 h50 r180; Top Overlay "1" at 3960,2380 h50 r180
P5: Top Overlay "20" at 1160,2200 h50 r270; Top Overlay "19" at 1060,2200 h50 r270; Top Overlay "1" at 1060,3260 h50 r270; Top Overlay "2" at 1160,3260 h50 r270
P6: Top Overlay "2" at 5280,4400 h50 r90; Top Overlay "1" at 5380,4420 h50 r90; Top Overlay "9" at 5380,4960 h50 r90; Top Overlay "10" at 5280,4960 h50 r90
P7: Top Overlay "2" at 3780,4040 h50 r180; Top Overlay "1" at 3760,4140 h50 r180; Top Overlay "9" at 3220,4140 h50 r180; Top Overlay "10" at 3220,4040 h50 r180
P8: Top Overlay "2" at 4320,4360 h50 r270; Top Overlay "1" at 4220,4340 h50 r270; Top Overlay "7" at 4220,3900 h50 r270; Top Overlay "8" at 4320,3900 h50 r270
Y1: Top Overlay "32768" at 1924,3297 h60 r180